# KiCad board SlowLampLEDPanel.kicad_pcb
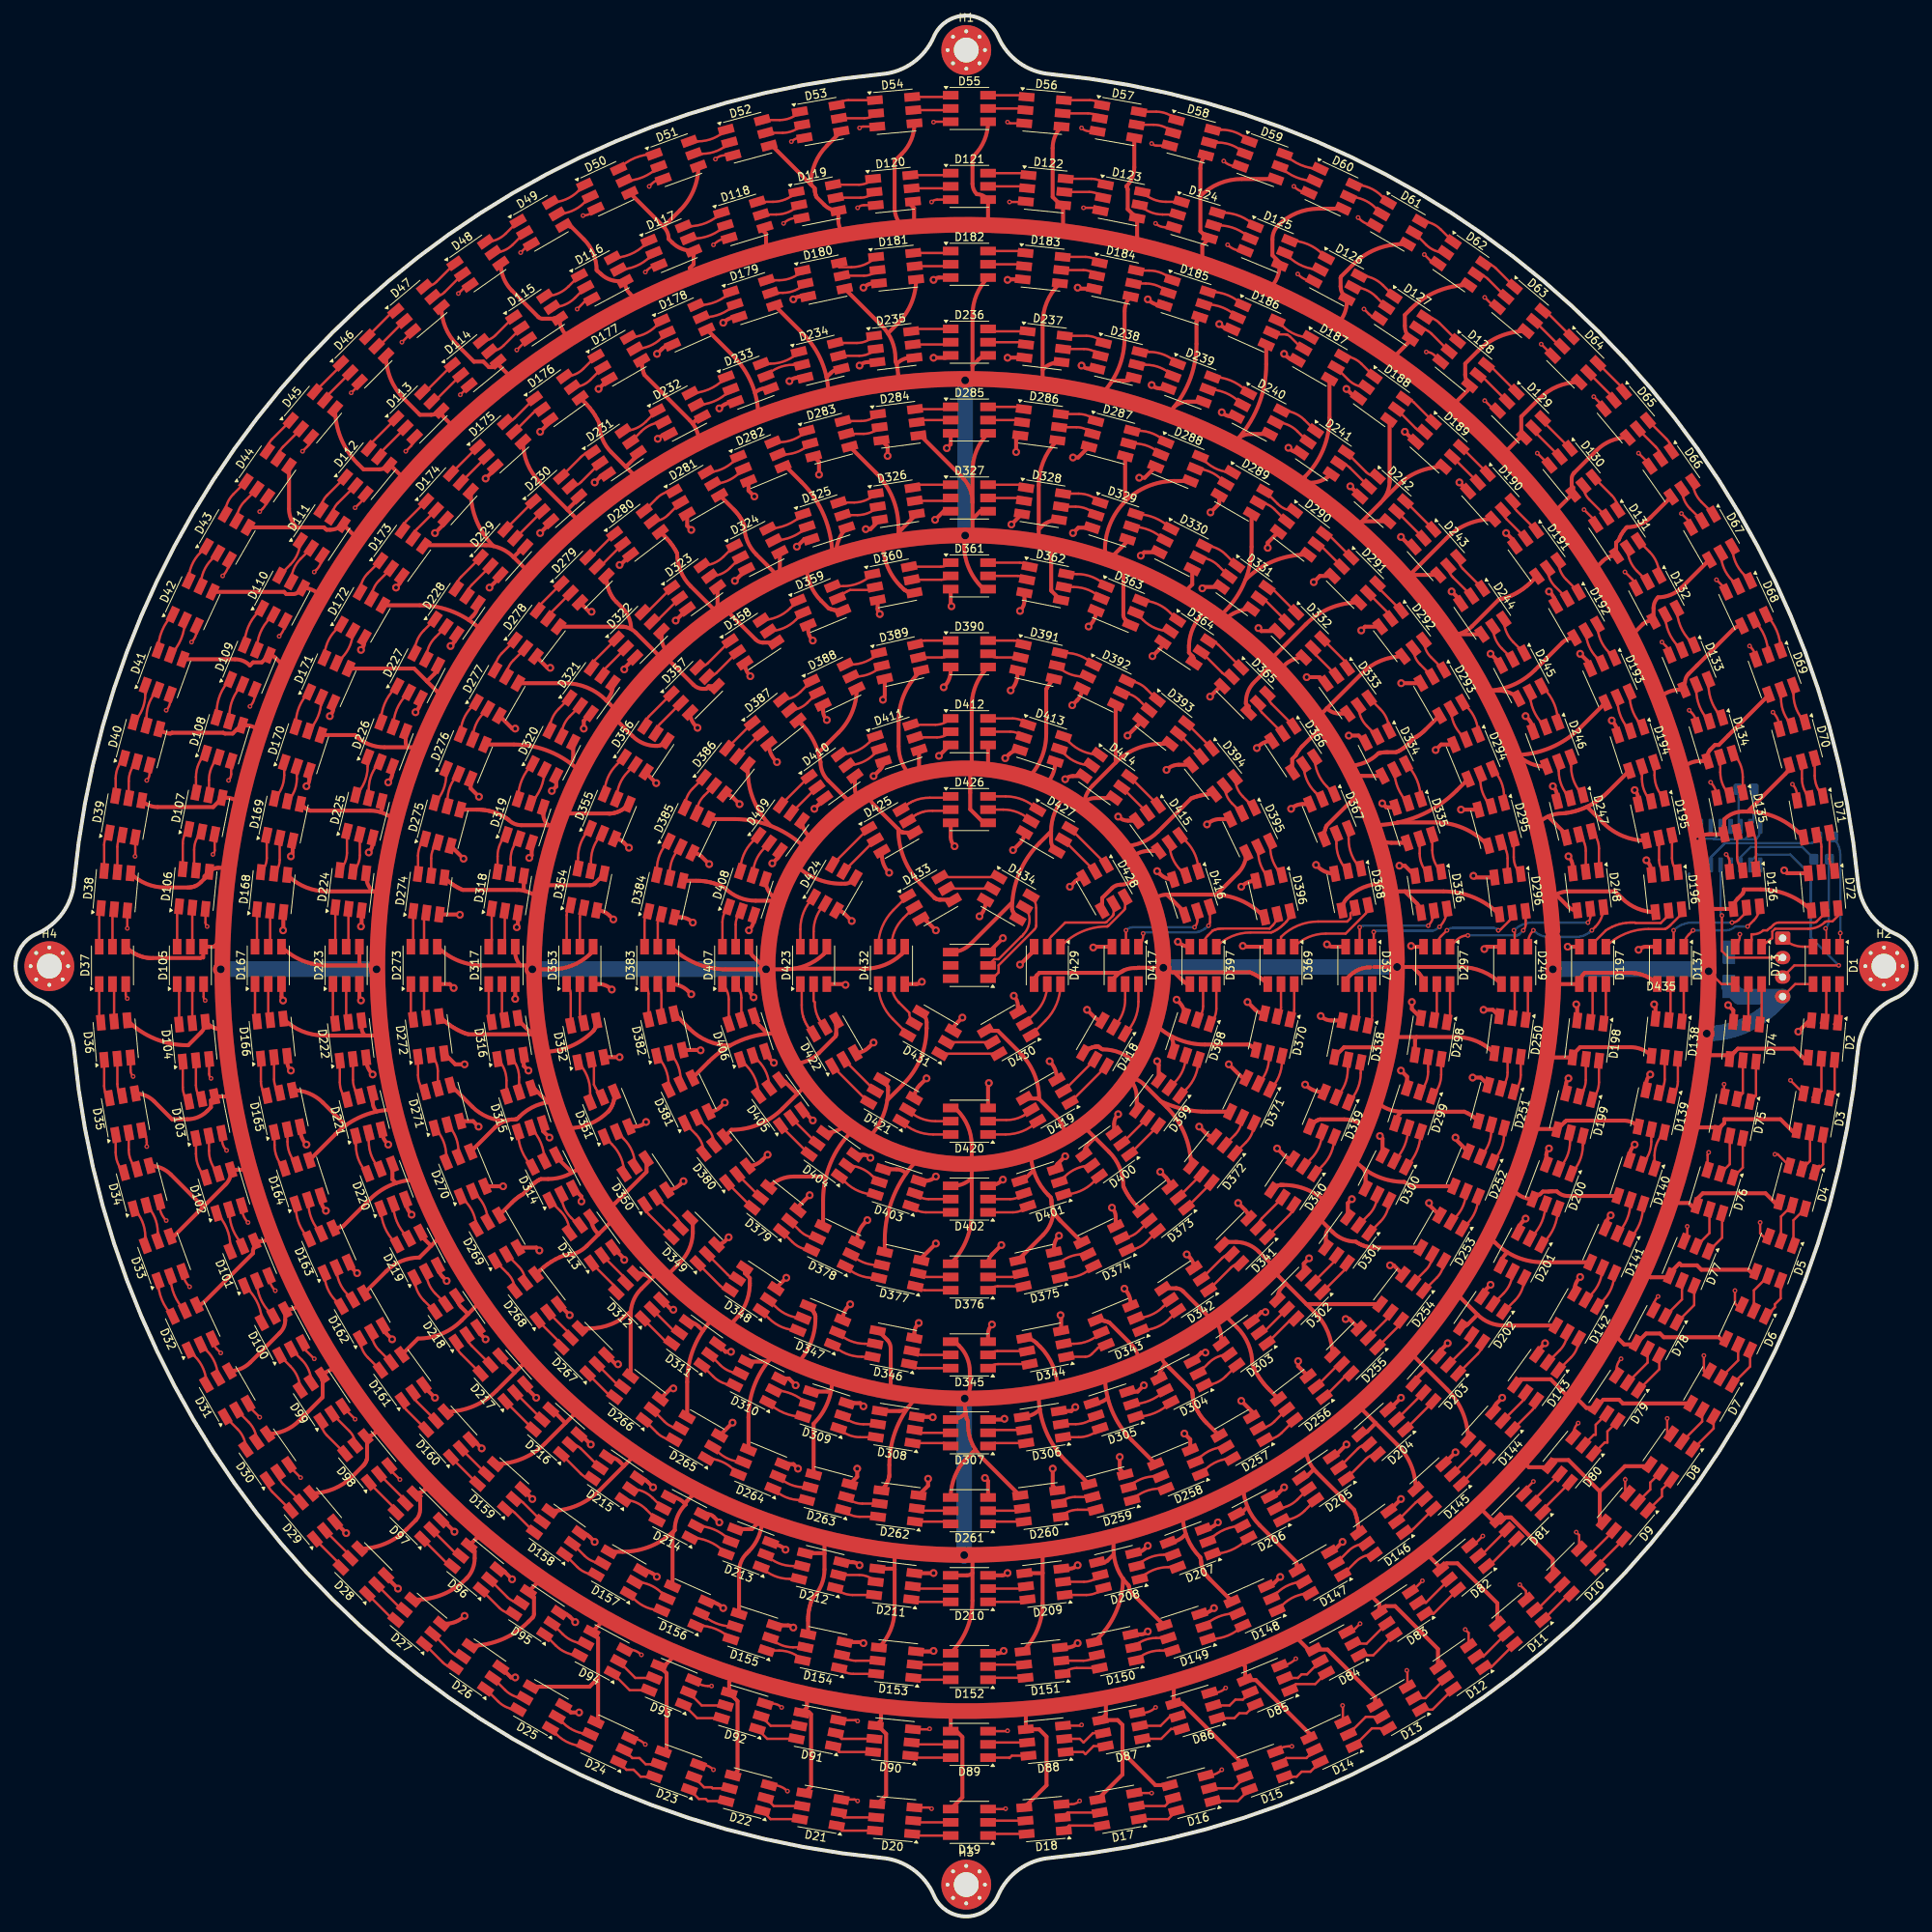
[diagram p0: board, top side]
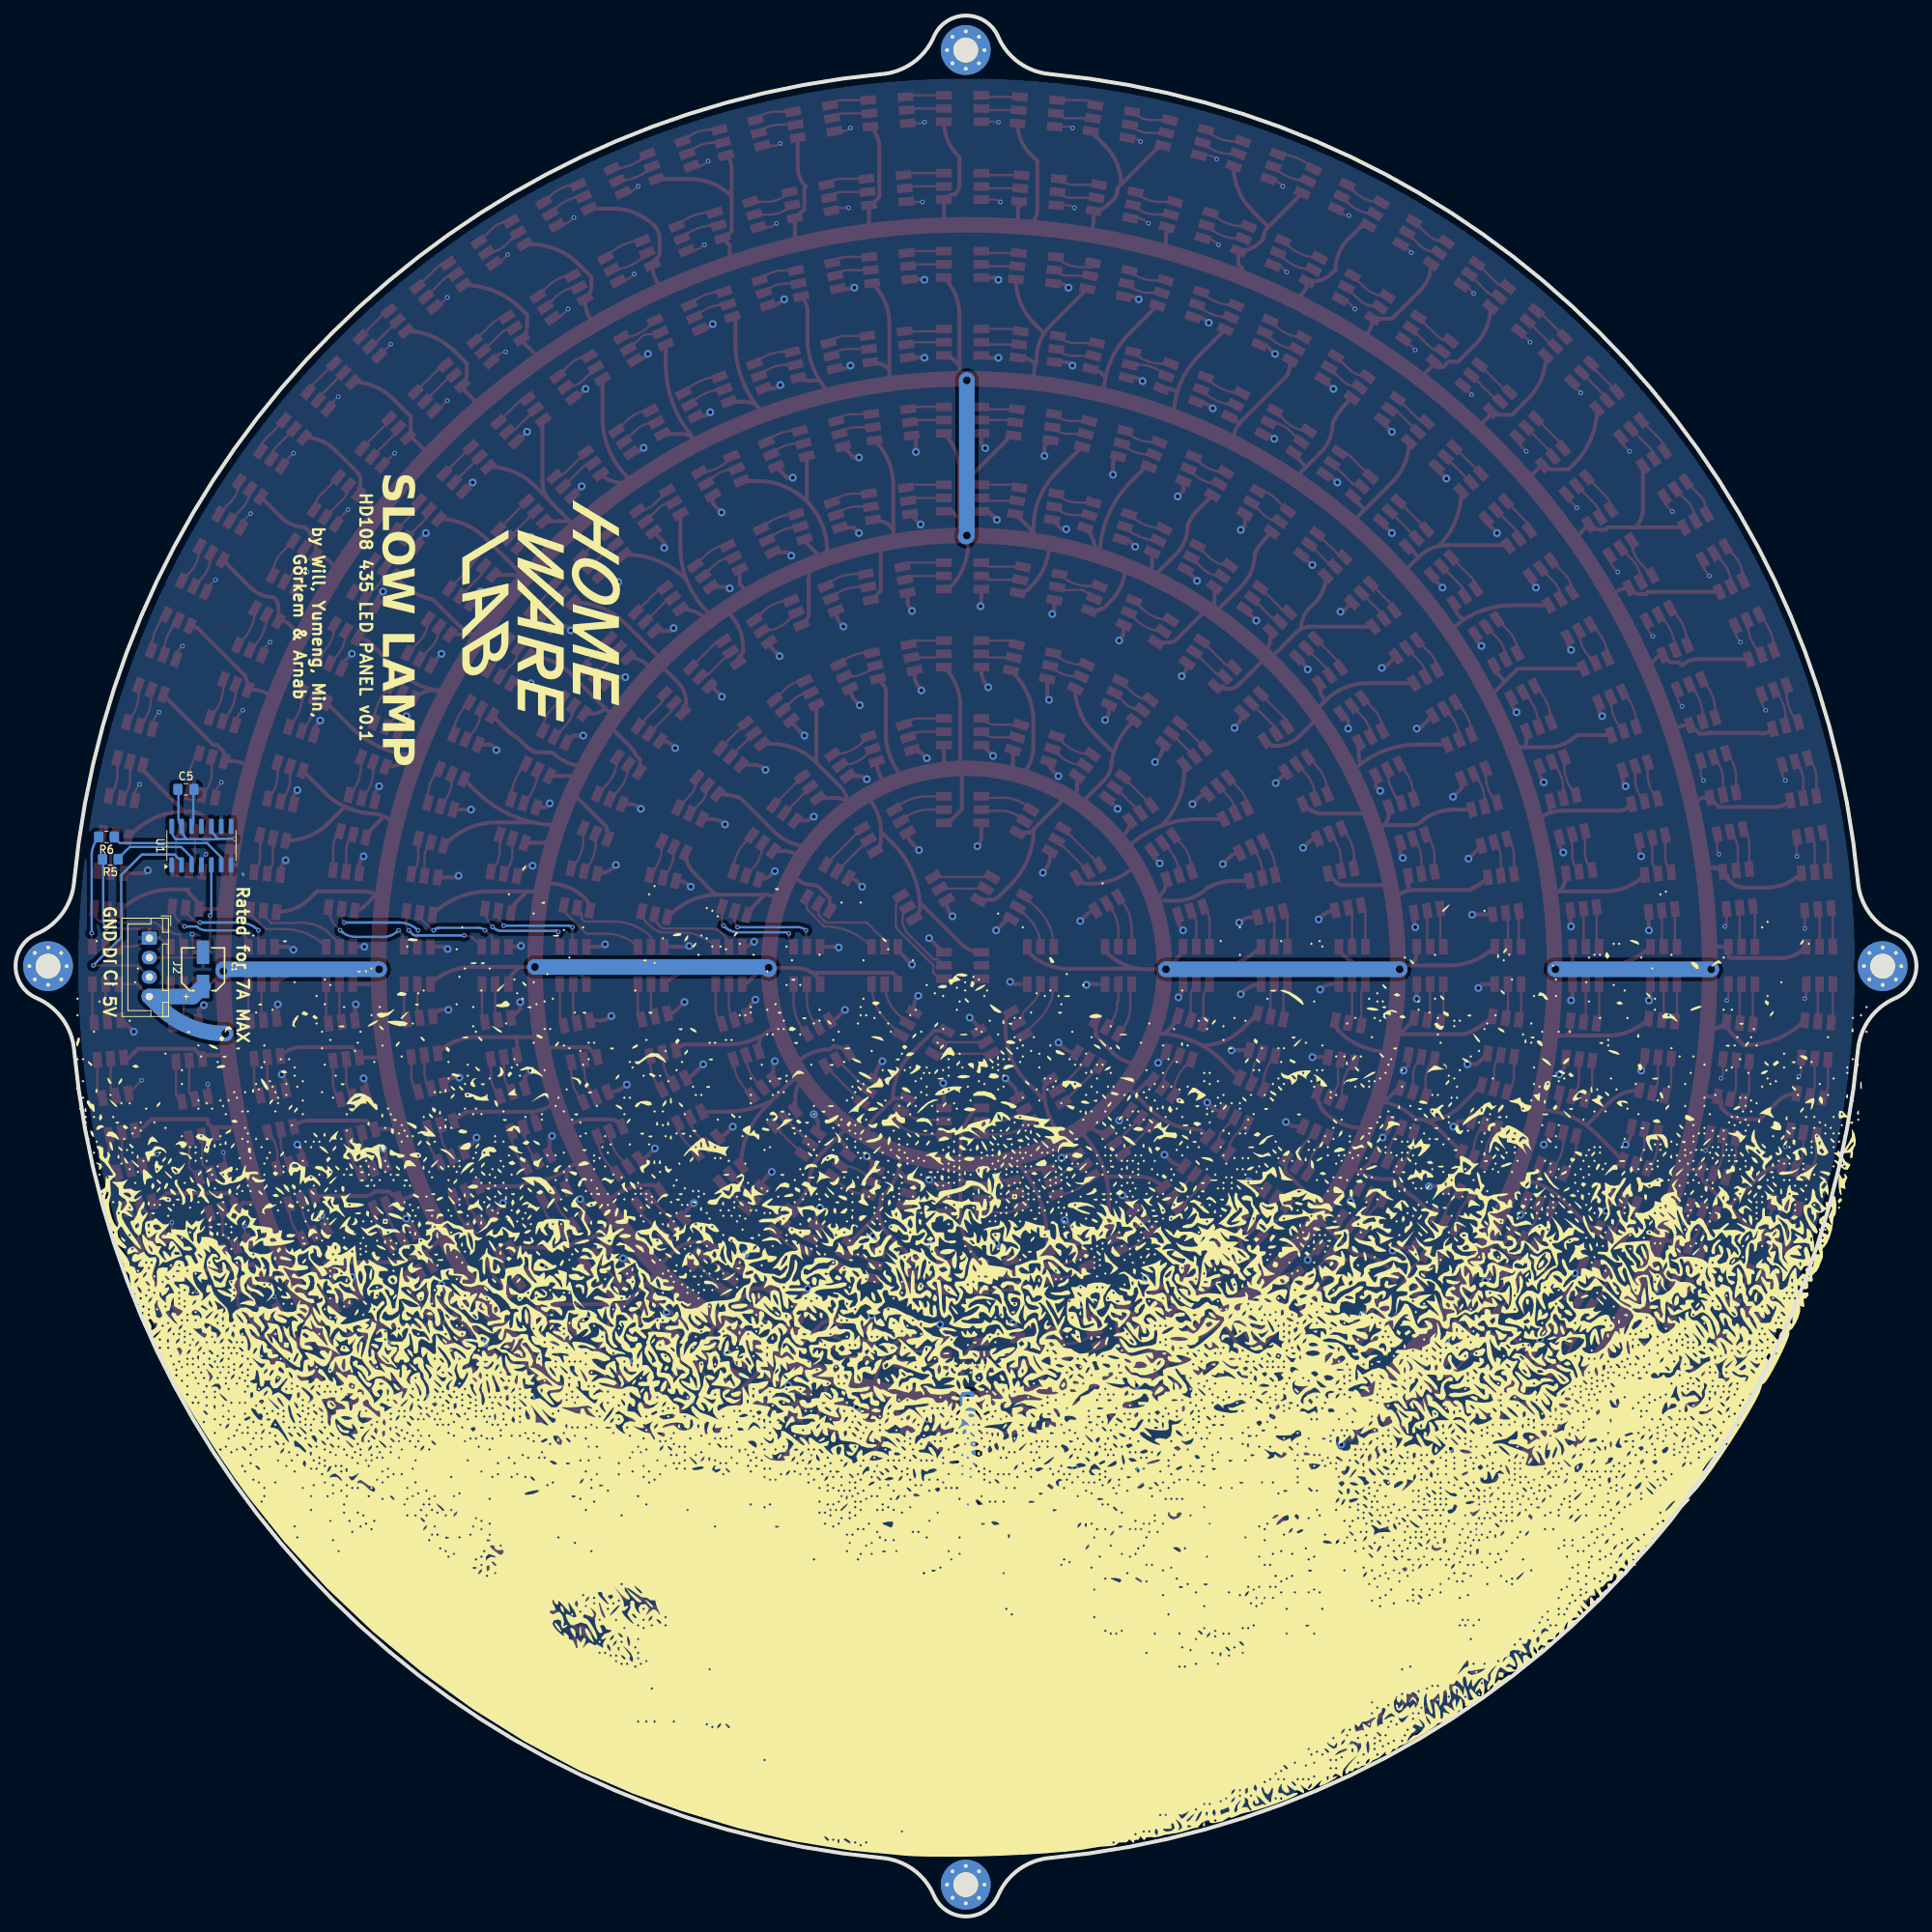
[diagram p1: board, bottom side, seen from below]

Outline 244 x 244 mm; copper layers: Top, Bottom. Coordinates in mm from the lower left corner of the outline.
Outline path: 122.34,243.99 122.67,243.96 122.99,243.9 123.31,243.81 123.61,243.71 123.91,243.58 124.2,243.43 124.47,243.27 124.74,243.08 124.99,242.87 125.22,242.65 125.44,242.41 125.64,242.15 125.83,241.88 125.99,241.59 126.13,241.29 126.25,241.04 126.37,240.8 126.49,240.56 126.63,240.33 126.92,239.88 127.24,239.45 127.59,239.05 127.96,238.67 128.36,238.32 128.78,237.99 129.21,237.7 129.67,237.43 130.14,237.19 130.64,236.99 131.14,236.81 131.66,236.68 131.92,236.62 132.19,236.57 132.46,236.53 132.73,236.5 137.85,235.91 142.91,235.09 147.88,234.06 152.78,232.82 157.59,231.37 162.3,229.73 166.92,227.88 171.44,225.85 175.85,223.63 180.15,221.23 184.33,218.66 188.39,215.91 192.32,213 196.13,209.93 199.79,206.7 203.32,203.32 206.7,199.79 209.93,196.13 213,192.32 215.91,188.39 218.66,184.33 221.23,180.15 223.63,175.85 225.85,171.44 227.88,166.92 229.73,162.3 231.37,157.59 232.82,152.78 234.06,147.88 235.09,142.91 235.91,137.85 236.5,132.73 236.57,132.19 236.68,131.66 236.81,131.14 236.99,130.64 237.19,130.14 237.43,129.67 237.7,129.21 237.99,128.78 238.32,128.36 238.67,127.96 239.05,127.59 239.45,127.24 239.88,126.92 240.33,126.63 240.8,126.37 241.29,126.13 241.44,126.06 241.59,125.99 241.74,125.91 241.88,125.83 242.02,125.74 242.15,125.64 242.28,125.54 242.41,125.44 242.53,125.33 242.65,125.22 242.76,125.11 242.87,124.99 242.98,124.86 243.08,124.74 243.17,124.61 243.27,124.47 243.35,124.34 243.43,124.2 243.51,124.06 243.58,123.91 243.65,123.76 243.71,123.61 243.76,123.46 243.81,123.31 243.86,123.15 243.9,122.99 243.93,122.83 243.96,122.67 243.98,122.5 243.99,122.34 244,122.17 244,122 243.99,121.67 243.96,121.34 243.9,121.02 243.81,120.7 243.71,120.39 243.58,120.09 243.43,119.81 243.27,119.53 243.08,119.27 242.87,119.02 242.65,118.78 242.41,118.56 242.15,118.36 241.88,118.18 241.59,118.02 241.29,117.87 241.04,117.76 240.8,117.64 240.56,117.51 240.33,117.37 239.88,117.08 239.45,116.76 239.05,116.41 238.67,116.04 238.32,115.65 237.99,115.23 237.7,114.79 237.43,114.33 237.19,113.86 236.99,113.37 236.81,112.86 236.68,112.35 236.62,112.08 236.57,111.82 236.53,111.55 236.5,111.28 235.91,106.15 235.09,101.1 234.06,96.12 232.82,91.23 231.37,86.42 229.73,81.7 227.88,77.09 225.85,72.57 223.63,68.16 221.23,63.86 218.66,59.68 215.91,55.62 213,51.68 209.93,47.88 206.7,44.21 203.32,40.68 199.79,37.31 196.13,34.08 192.32,31 188.39,28.09 184.33,25.35 180.15,22.77 175.85,20.37 171.44,18.15 166.92,16.12 162.3,14.28 157.59,12.63 152.78,11.19 147.88,9.94 142.91,8.91 137.85,8.1 132.73,7.5 132.19,7.43 131.66,7.33 131.14,7.19 130.64,7.02 130.14,6.81 129.67,6.58 129.21,6.31 128.78,6.01 128.36,5.69 127.96,5.34 127.59,4.96 127.24,4.56 126.92,4.13 126.63,3.68 126.37,3.21 126.13,2.72 126.06,2.56 125.99,2.41 125.91,2.27 125.83,2.13 125.74,1.99 125.64,1.85 125.54,1.72 125.44,1.6 125.33,1.47 125.22,1.36 125.11,1.24 124.99,1.13 124.86,1.03 124.74,0.93 124.61,0.83 124.47,0.74 124.34,0.65 124.2,0.57 124.06,0.5 123.91,0.42 123.76,0.36 123.61,0.3 123.46,0.24 123.31,0.19 123.15,0.15 122.99,0.11 122.83,0.08 122.67,0.05 122.5,0.03 122.34,0.01 122.17,0 122,0 121.67,0.01 121.34,0.05 121.02,0.11 120.7,0.19 120.39,0.3 120.09,0.42 119.81,0.57 119.53,0.74 119.27,0.93 119.02,1.13 118.78,1.36 118.56,1.6 118.36,1.85 118.18,2.13 118.02,2.41 117.87,2.72 117.76,2.96 117.64,3.21 117.51,3.45 117.37,3.68 117.08,4.13 116.76,4.56 116.41,4.96 116.04,5.34 115.65,5.69 115.23,6.01 114.79,6.31 114.33,6.58 113.86,6.81 113.37,7.02 112.86,7.19 112.35,7.33 112.08,7.39 111.82,7.43 111.55,7.47 111.28,7.5 106.15,8.1 101.1,8.91 96.12,9.94 91.23,11.19 86.42,12.63 81.7,14.28 77.09,16.12 72.57,18.15 68.16,20.37 63.86,22.77 59.68,25.35 55.62,28.09 51.68,31 47.88,34.08 44.21,37.31 40.68,40.68 37.31,44.21 34.08,47.88 31,51.68 28.09,55.62 25.35,59.68 22.77,63.86 20.37,68.16 18.15,72.57 16.12,77.09 14.28,81.7 12.63,86.42 11.19,91.23 9.94,96.12 8.91,101.1 8.1,106.15 7.5,111.28 7.43,111.82 7.33,112.35 7.19,112.86 7.02,113.37 6.81,113.86 6.58,114.33 6.31,114.79 6.01,115.23 5.69,115.65 5.34,116.04 4.96,116.41 4.56,116.76 4.13,117.08 3.68,117.37 3.21,117.64 2.72,117.87 2.56,117.94 2.41,118.02 2.27,118.1 2.13,118.18 1.99,118.27 1.85,118.36 1.72,118.46 1.6,118.56 1.47,118.67 1.36,118.78 1.24,118.9 1.13,119.02 1.03,119.14 0.93,119.27 0.83,119.4 0.74,119.53 0.65,119.67 0.57,119.81 0.5,119.95 0.42,120.09 0.36,120.24 0.3,120.39 0.24,120.54 0.19,120.7 0.15,120.86 0.11,121.02 0.08,121.18 0.05,121.34 0.03,121.5 0.01,121.67 0,121.83 0,122 0.01,122.34 0.05,122.67 0.11,122.99 0.19,123.31 0.3,123.61 0.42,123.91 0.57,124.2 0.74,124.47 0.93,124.74 1.13,124.99 1.36,125.22 1.6,125.44 1.85,125.64 2.13,125.83 2.41,125.99 2.72,126.13 2.96,126.25 3.21,126.37 3.45,126.49 3.68,126.63 4.13,126.92 4.56,127.24 4.96,127.59 5.34,127.96 5.69,128.36 6.01,128.78 6.31,129.21 6.58,129.67 6.81,130.14 7.02,130.64 7.19,131.14 7.33,131.66 7.39,131.92 7.43,132.19 7.47,132.46 7.5,132.73 8.1,137.85 8.91,142.91 9.94,147.88 11.19,152.78 12.63,157.59 14.28,162.3 16.12,166.92 18.15,171.44 20.37,175.85 22.77,180.15 25.35,184.33 28.09,188.39 31,192.32 34.08,196.13 37.31,199.79 40.68,203.32 44.21,206.7 47.88,209.93 51.68,213 55.62,215.91 59.68,218.66 63.86,221.23 68.16,223.63 72.57,225.85 77.09,227.88 81.7,229.73 86.42,231.37 91.23,232.82 96.12,234.06 101.1,235.09 106.15,235.91 111.28,236.5 111.82,236.57 112.35,236.68 112.86,236.81 113.37,236.99 113.86,237.19 114.33,237.43 114.79,237.7 115.23,237.99 115.65,238.32 116.04,238.67 116.41,239.05 116.76,239.45 117.08,239.88 117.37,240.33 117.64,240.8 117.87,241.29 117.94,241.44 118.02,241.59 118.1,241.74 118.18,241.88 118.27,242.02 118.36,242.15 118.46,242.28 118.56,242.41 118.67,242.53 118.78,242.65 118.9,242.76 119.02,242.87 119.14,242.98 119.27,243.08 119.4,243.17 119.53,243.27 119.67,243.35 119.81,243.43 119.95,243.51 120.09,243.58 120.24,243.65 120.39,243.71 120.54,243.76 120.7,243.81 120.86,243.86 121.02,243.9 121.18,243.93 121.34,243.96 121.5,243.98 121.67,243.99 121.83,244 122,244 closed

## Placement (name value [footprint] x y rotation side)
C1  47µF  [WCAP-ASLI_5X5.5_DXL_]  219.94 121.58 270 bottom
C5  100nF  [C_0805_2012Metric_Pad1.18x1.45mm_HandSolder]  222.14 144.68 180 bottom
D1  HD108  [LED_RGB_5050-6]  232.44 122.08 270 top
D2  HD108  [LED_RGB_5050-6]  232.02 112.49 265 top
D3  HD108  [LED_RGB_5050-6]  230.77 102.98 260 top
D4  HD108  [LED_RGB_5050-6]  228.69 93.61 255 top
D5  HD108  [LED_RGB_5050-6]  225.8 84.46 250 top
D6  HD108  [LED_RGB_5050-6]  222.13 75.59 245 top
D7  HD108  [LED_RGB_5050-6]  217.7 67.08 240 top
D8  HD108  [LED_RGB_5050-6]  212.54 58.99 235 top
D9  HD108  [LED_RGB_5050-6]  206.7 51.37 230 top
D10  HD108  [LED_RGB_5050-6]  200.22 44.3 225 top
D11  HD108  [LED_RGB_5050-6]  193.14 37.81 220 top
D12  HD108  [LED_RGB_5050-6]  185.53 31.97 215 top
D13  HD108  [LED_RGB_5050-6]  177.44 26.82 210 top
D14  HD108  [LED_RGB_5050-6]  168.92 22.39 205 top
D15  HD108  [LED_RGB_5050-6]  160.06 18.71 200 top
D16  HD108  [LED_RGB_5050-6]  150.91 15.83 195 top
D17  HD108  [LED_RGB_5050-6]  141.54 13.75 190 top
D18  HD108  [LED_RGB_5050-6]  132.02 12.5 185 top
D19  HD108  [LED_RGB_5050-6]  122.44 12.08 180 top
D20  HD108  [LED_RGB_5050-6]  112.85 12.5 175 top
D21  HD108  [LED_RGB_5050-6]  103.34 13.75 170 top
D22  HD108  [LED_RGB_5050-6]  93.97 15.83 165 top
D23  HD108  [LED_RGB_5050-6]  84.81 18.71 160 top
D24  HD108  [LED_RGB_5050-6]  75.95 22.39 155 top
D25  HD108  [LED_RGB_5050-6]  67.44 26.82 150 top
D26  HD108  [LED_RGB_5050-6]  59.34 31.97 145 top
D27  HD108  [LED_RGB_5050-6]  51.73 37.81 140 top
D28  HD108  [LED_RGB_5050-6]  44.66 44.3 135 top
D29  HD108  [LED_RGB_5050-6]  38.17 51.37 130 top
D30  HD108  [LED_RGB_5050-6]  32.33 58.99 125 top
D31  HD108  [LED_RGB_5050-6]  27.17 67.08 120 top
D32  HD108  [LED_RGB_5050-6]  22.74 75.59 115 top
D33  HD108  [LED_RGB_5050-6]  19.07 84.46 110 top
D34  HD108  [LED_RGB_5050-6]  16.18 93.61 105 top
D35  HD108  [LED_RGB_5050-6]  14.11 102.98 100 top
D36  HD108  [LED_RGB_5050-6]  12.86 112.49 95 top
D37  HD108  [LED_RGB_5050-6]  12.44 122.08 90 top
D38  HD108  [LED_RGB_5050-6]  12.86 131.67 85 top
D39  HD108  [LED_RGB_5050-6]  14.11 141.18 80 top
D40  HD108  [LED_RGB_5050-6]  16.18 150.55 75 top
D41  HD108  [LED_RGB_5050-6]  19.07 159.7 70 top
D42  HD108  [LED_RGB_5050-6]  22.74 168.57 65 top
D43  HD108  [LED_RGB_5050-6]  27.17 177.08 60 top
D44  HD108  [LED_RGB_5050-6]  32.33 185.17 55 top
D45  HD108  [LED_RGB_5050-6]  38.17 192.79 50 top
D46  HD108  [LED_RGB_5050-6]  44.66 199.86 45 top
D47  HD108  [LED_RGB_5050-6]  51.73 206.34 40 top
D48  HD108  [LED_RGB_5050-6]  59.34 212.19 35 top
D49  HD108  [LED_RGB_5050-6]  67.44 217.34 30 top
D50  HD108  [LED_RGB_5050-6]  75.95 221.77 25 top
D51  HD108  [LED_RGB_5050-6]  84.81 225.45 20 top
D52  HD108  [LED_RGB_5050-6]  93.97 228.33 15 top
D53  HD108  [LED_RGB_5050-6]  103.34 230.41 10 top
D54  HD108  [LED_RGB_5050-6]  112.85 231.66 5 top
D55  HD108  [LED_RGB_5050-6]  122.44 232.08 0 top
D56  HD108  [LED_RGB_5050-6]  132.02 231.66 355 top
D57  HD108  [LED_RGB_5050-6]  141.54 230.41 350 top
D58  HD108  [LED_RGB_5050-6]  150.91 228.33 345 top
D59  HD108  [LED_RGB_5050-6]  160.06 225.45 340 top
D60  HD108  [LED_RGB_5050-6]  168.92 221.77 335 top
D61  HD108  [LED_RGB_5050-6]  177.44 217.34 330 top
D62  HD108  [LED_RGB_5050-6]  185.53 212.19 325 top
D63  HD108  [LED_RGB_5050-6]  193.14 206.34 320 top
D64  HD108  [LED_RGB_5050-6]  200.22 199.86 315 top
D65  HD108  [LED_RGB_5050-6]  206.7 192.79 310 top
D66  HD108  [LED_RGB_5050-6]  212.54 185.17 305 top
D67  HD108  [LED_RGB_5050-6]  217.7 177.08 300 top
D68  HD108  [LED_RGB_5050-6]  222.13 168.57 295 top
D69  HD108  [LED_RGB_5050-6]  225.8 159.7 290 top
D70  HD108  [LED_RGB_5050-6]  228.69 150.55 285 top
D71  HD108  [LED_RGB_5050-6]  230.77 141.18 280 top
D72  HD108  [LED_RGB_5050-6]  232.02 131.67 275 top
D73  HD108  [LED_RGB_5050-6]  222.44 122.08 270 top
D74  HD108  [LED_RGB_5050-6]  221.96 112.28 264.4 top
D75  HD108  [LED_RGB_5050-6]  220.52 102.57 258.8 top
D76  HD108  [LED_RGB_5050-6]  218.13 93.05 253.1 top
D77  HD108  [LED_RGB_5050-6]  214.82 83.81 247.5 top
D78  HD108  [LED_RGB_5050-6]  210.63 74.94 241.9 top
D79  HD108  [LED_RGB_5050-6]  205.58 66.52 236.2 top
D80  HD108  [LED_RGB_5050-6]  199.74 58.64 230.6 top
D81  HD108  [LED_RGB_5050-6]  193.15 51.37 225 top
D82  HD108  [LED_RGB_5050-6]  185.88 44.78 219.4 top
D83  HD108  [LED_RGB_5050-6]  177.99 38.93 213.8 top
D84  HD108  [LED_RGB_5050-6]  169.58 33.89 208.1 top
D85  HD108  [LED_RGB_5050-6]  160.71 29.69 202.5 top
D86  HD108  [LED_RGB_5050-6]  151.47 26.39 196.9 top
D87  HD108  [LED_RGB_5050-6]  141.95 24 191.2 top
D88  HD108  [LED_RGB_5050-6]  132.24 22.56 185.6 top
D89  HD108  [LED_RGB_5050-6]  122.44 22.08 180 top
D90  HD108  [LED_RGB_5050-6]  112.64 22.56 174.4 top
D91  HD108  [LED_RGB_5050-6]  102.93 24 168.8 top
D92  HD108  [LED_RGB_5050-6]  93.41 26.39 163.1 top
D93  HD108  [LED_RGB_5050-6]  84.17 29.69 157.5 top
D94  HD108  [LED_RGB_5050-6]  75.3 33.89 151.9 top
D95  HD108  [LED_RGB_5050-6]  66.88 38.93 146.2 top
D96  HD108  [LED_RGB_5050-6]  59 44.78 140.6 top
D97  HD108  [LED_RGB_5050-6]  51.73 51.37 135 top
D98  HD108  [LED_RGB_5050-6]  45.14 58.64 129.4 top
D99  HD108  [LED_RGB_5050-6]  39.29 66.52 123.8 top
D100  HD108  [LED_RGB_5050-6]  34.24 74.94 118.1 top
D101  HD108  [LED_RGB_5050-6]  30.05 83.81 112.5 top
D102  HD108  [LED_RGB_5050-6]  26.74 93.05 106.9 top
D103  HD108  [LED_RGB_5050-6]  24.36 102.57 101.2 top
D104  HD108  [LED_RGB_5050-6]  22.92 112.28 95.6 top
D105  HD108  [LED_RGB_5050-6]  22.44 122.08 90 top
D106  HD108  [LED_RGB_5050-6]  22.92 131.88 84.4 top
D107  HD108  [LED_RGB_5050-6]  24.36 141.59 78.8 top
D108  HD108  [LED_RGB_5050-6]  26.74 151.11 73.1 top
D109  HD108  [LED_RGB_5050-6]  30.05 160.35 67.5 top
D110  HD108  [LED_RGB_5050-6]  34.24 169.22 61.9 top
D111  HD108  [LED_RGB_5050-6]  39.29 177.64 56.2 top
D112  HD108  [LED_RGB_5050-6]  45.14 185.52 50.6 top
D113  HD108  [LED_RGB_5050-6]  51.73 192.79 45 top
D114  HD108  [LED_RGB_5050-6]  59 199.38 39.4 top
D115  HD108  [LED_RGB_5050-6]  66.88 205.23 33.8 top
D116  HD108  [LED_RGB_5050-6]  75.3 210.27 28.1 top
D117  HD108  [LED_RGB_5050-6]  84.17 214.47 22.5 top
D118  HD108  [LED_RGB_5050-6]  93.41 217.77 16.9 top
D119  HD108  [LED_RGB_5050-6]  102.93 220.16 11.2 top
D120  HD108  [LED_RGB_5050-6]  112.64 221.6 5.6 top
D121  HD108  [LED_RGB_5050-6]  122.44 222.08 0 top
D122  HD108  [LED_RGB_5050-6]  132.24 221.6 354.4 top
D123  HD108  [LED_RGB_5050-6]  141.95 220.16 348.8 top
D124  HD108  [LED_RGB_5050-6]  151.47 217.77 343.1 top
D125  HD108  [LED_RGB_5050-6]  160.71 214.47 337.5 top
D126  HD108  [LED_RGB_5050-6]  169.58 210.27 331.9 top
D127  HD108  [LED_RGB_5050-6]  177.99 205.23 326.2 top
D128  HD108  [LED_RGB_5050-6]  185.88 199.38 320.6 top
D129  HD108  [LED_RGB_5050-6]  193.15 192.79 315 top
D130  HD108  [LED_RGB_5050-6]  199.74 185.52 309.4 top
D131  HD108  [LED_RGB_5050-6]  205.58 177.64 303.8 top
D132  HD108  [LED_RGB_5050-6]  210.63 169.22 298.1 top
D133  HD108  [LED_RGB_5050-6]  214.82 160.35 292.5 top
D134  HD108  [LED_RGB_5050-6]  218.13 151.11 286.9 top
D135  HD108  [LED_RGB_5050-6]  220.52 141.59 281.2 top
D136  HD108  [LED_RGB_5050-6]  221.96 131.88 275.6 top
D137  HD108  [LED_RGB_5050-6]  212.44 122.08 270 top
D138  HD108  [LED_RGB_5050-6]  211.94 112.67 264 top
D139  HD108  [LED_RGB_5050-6]  210.47 103.37 258 top
D140  HD108  [LED_RGB_5050-6]  208.03 94.27 252 top
D141  HD108  [LED_RGB_5050-6]  204.66 85.47 246 top
D142  HD108  [LED_RGB_5050-6]  200.38 77.08 240 top
D143  HD108  [LED_RGB_5050-6]  195.25 69.18 234 top
D144  HD108  [LED_RGB_5050-6]  189.32 61.86 228 top
D145  HD108  [LED_RGB_5050-6]  182.66 55.2 222 top
D146  HD108  [LED_RGB_5050-6]  175.34 49.27 216 top
D147  HD108  [LED_RGB_5050-6]  167.44 44.14 210 top
D148  HD108  [LED_RGB_5050-6]  159.04 39.86 204 top
D149  HD108  [LED_RGB_5050-6]  150.25 36.48 198 top
D150  HD108  [LED_RGB_5050-6]  141.15 34.05 192 top
D151  HD108  [LED_RGB_5050-6]  131.84 32.57 186 top
D152  HD108  [LED_RGB_5050-6]  122.44 32.08 180 top
D153  HD108  [LED_RGB_5050-6]  113.03 32.57 174 top
D154  HD108  [LED_RGB_5050-6]  103.72 34.05 168 top
D155  HD108  [LED_RGB_5050-6]  94.63 36.48 162 top
D156  HD108  [LED_RGB_5050-6]  85.83 39.86 156 top
D157  HD108  [LED_RGB_5050-6]  77.44 44.14 150 top
D158  HD108  [LED_RGB_5050-6]  69.54 49.27 144 top
D159  HD108  [LED_RGB_5050-6]  62.22 55.2 138 top
D160  HD108  [LED_RGB_5050-6]  55.55 61.86 132 top
D161  HD108  [LED_RGB_5050-6]  49.63 69.18 126 top
D162  HD108  [LED_RGB_5050-6]  44.49 77.08 120 top
D163  HD108  [LED_RGB_5050-6]  40.22 85.47 114 top
D164  HD108  [LED_RGB_5050-6]  36.84 94.27 108 top
D165  HD108  [LED_RGB_5050-6]  34.4 103.37 102 top
D166  HD108  [LED_RGB_5050-6]  32.93 112.67 96 top
D167  HD108  [LED_RGB_5050-6]  32.44 122.08 90 top
D168  HD108  [LED_RGB_5050-6]  32.93 131.49 84 top
D169  HD108  [LED_RGB_5050-6]  34.4 140.79 78 top
D170  HD108  [LED_RGB_5050-6]  36.84 149.89 72 top
D171  HD108  [LED_RGB_5050-6]  40.22 158.69 66 top
D172  HD108  [LED_RGB_5050-6]  44.49 167.08 60 top
D173  HD108  [LED_RGB_5050-6]  49.63 174.98 54 top
D174  HD108  [LED_RGB_5050-6]  55.55 182.3 48 top
D175  HD108  [LED_RGB_5050-6]  62.22 188.96 42 top
D176  HD108  [LED_RGB_5050-6]  69.54 194.89 36 top
D177  HD108  [LED_RGB_5050-6]  77.44 200.02 30 top
D178  HD108  [LED_RGB_5050-6]  85.83 204.3 24 top
D179  HD108  [LED_RGB_5050-6]  94.63 207.67 18 top
D180  HD108  [LED_RGB_5050-6]  103.72 210.11 12 top
D181  HD108  [LED_RGB_5050-6]  113.03 211.59 6 top
D182  HD108  [LED_RGB_5050-6]  122.44 212.08 0 top
D183  HD108  [LED_RGB_5050-6]  131.84 211.59 354 top
D184  HD108  [LED_RGB_5050-6]  141.15 210.11 348 top
D185  HD108  [LED_RGB_5050-6]  150.25 207.67 342 top
D186  HD108  [LED_RGB_5050-6]  159.04 204.3 336 top
D187  HD108  [LED_RGB_5050-6]  167.44 200.02 330 top
D188  HD108  [LED_RGB_5050-6]  175.34 194.89 324 top
D189  HD108  [LED_RGB_5050-6]  182.66 188.96 318 top
D190  HD108  [LED_RGB_5050-6]  189.32 182.3 312 top
D191  HD108  [LED_RGB_5050-6]  195.25 174.98 306 top
D192  HD108  [LED_RGB_5050-6]  200.38 167.08 300 top
D193  HD108  [LED_RGB_5050-6]  204.66 158.69 294 top
D194  HD108  [LED_RGB_5050-6]  208.03 149.89 288 top
D195  HD108  [LED_RGB_5050-6]  210.47 140.79 282 top
D196  HD108  [LED_RGB_5050-6]  211.94 131.49 276 top
D197  HD108  [LED_RGB_5050-6]  202.44 122.08 270 top
D198  HD108  [LED_RGB_5050-6]  201.85 112.44 263.1 top
D199  HD108  [LED_RGB_5050-6]  200.11 102.93 256.2 top
D200  HD108  [LED_RGB_5050-6]  197.24 93.71 249.2 top
D201  HD108  [LED_RGB_5050-6]  193.27 84.9 242.3 top
D202  HD108  [LED_RGB_5050-6]  188.28 76.63 235.4 top
D203  HD108  [LED_RGB_5050-6]  182.32 69.03 228.5 top
D204  HD108  [LED_RGB_5050-6]  175.49 62.2 221.5 top
D205  HD108  [LED_RGB_5050-6]  167.88 56.24 214.6 top
D206  HD108  [LED_RGB_5050-6]  159.61 51.24 207.7 top
D207  HD108  [LED_RGB_5050-6]  150.81 47.28 200.8 top
D208  HD108  [LED_RGB_5050-6]  141.58 44.4 193.8 top
D209  HD108  [LED_RGB_5050-6]  132.08 42.66 186.9 top
D210  HD108  [LED_RGB_5050-6]  122.44 42.08 180 top
D211  HD108  [LED_RGB_5050-6]  112.79 42.66 173.1 top
D212  HD108  [LED_RGB_5050-6]  103.29 44.4 166.2 top
D213  HD108  [LED_RGB_5050-6]  94.07 47.28 159.2 top
D214  HD108  [LED_RGB_5050-6]  85.26 51.24 152.3 top
D215  HD108  [LED_RGB_5050-6]  76.99 56.24 145.4 top
D216  HD108  [LED_RGB_5050-6]  69.39 62.2 138.5 top
D217  HD108  [LED_RGB_5050-6]  62.56 69.03 131.5 top
D218  HD108  [LED_RGB_5050-6]  56.6 76.63 124.6 top
D219  HD108  [LED_RGB_5050-6]  51.6 84.9 117.7 top
D220  HD108  [LED_RGB_5050-6]  47.64 93.71 110.8 top
D221  HD108  [LED_RGB_5050-6]  44.76 102.93 103.8 top
D222  HD108  [LED_RGB_5050-6]  43.02 112.44 96.9 top
D223  HD108  [LED_RGB_5050-6]  42.44 122.08 90 top
D224  HD108  [LED_RGB_5050-6]  43.02 131.72 83.1 top
D225  HD108  [LED_RGB_5050-6]  44.76 141.22 76.2 top
D226  HD108  [LED_RGB_5050-6]  47.64 150.45 69.2 top
D227  HD108  [LED_RGB_5050-6]  51.6 159.26 62.3 top
D228  HD108  [LED_RGB_5050-6]  56.6 167.52 55.4 top
D229  HD108  [LED_RGB_5050-6]  62.56 175.13 48.5 top
D230  HD108  [LED_RGB_5050-6]  69.39 181.96 41.5 top
D231  HD108  [LED_RGB_5050-6]  76.99 187.92 34.6 top
D232  HD108  [LED_RGB_5050-6]  85.26 192.92 27.7 top
D233  HD108  [LED_RGB_5050-6]  94.07 196.88 20.8 top
D234  HD108  [LED_RGB_5050-6]  103.29 199.75 13.8 top
D235  HD108  [LED_RGB_5050-6]  112.79 201.5 6.9 top
D236  HD108  [LED_RGB_5050-6]  122.44 202.08 0 top
D237  HD108  [LED_RGB_5050-6]  132.08 201.5 353.1 top
D238  HD108  [LED_RGB_5050-6]  141.58 199.75 346.2 top
D239  HD108  [LED_RGB_5050-6]  150.81 196.88 339.2 top
D240  HD108  [LED_RGB_5050-6]  159.61 192.92 332.3 top
D241  HD108  [LED_RGB_5050-6]  167.88 187.92 325.4 top
D242  HD108  [LED_RGB_5050-6]  175.49 181.96 318.5 top
D243  HD108  [LED_RGB_5050-6]  182.32 175.13 311.5 top
D244  HD108  [LED_RGB_5050-6]  188.28 167.52 304.6 top
D245  HD108  [LED_RGB_5050-6]  193.27 159.26 297.7 top
D246  HD108  [LED_RGB_5050-6]  197.24 150.45 290.8 top
D247  HD108  [LED_RGB_5050-6]  200.11 141.22 283.8 top
D248  HD108  [LED_RGB_5050-6]  201.85 131.72 276.9 top
D249  HD108  [LED_RGB_5050-6]  192.44 122.08 270 top
D250  HD108  [LED_RGB_5050-6]  191.84 112.94 262.5 top
D251  HD108  [LED_RGB_5050-6]  190.05 103.96 255 top
D252  HD108  [LED_RGB_5050-6]  187.11 95.29 247.5 top
D253  HD108  [LED_RGB_5050-6]  183.06 87.08 240 top
D254  HD108  [LED_RGB_5050-6]  177.97 79.47 232.5 top
D255  HD108  [LED_RGB_5050-6]  171.93 72.58 225 top
D256  HD108  [LED_RGB_5050-6]  165.05 66.54 217.5 top
D257  HD108  [LED_RGB_5050-6]  157.44 61.46 210 top
D258  HD108  [LED_RGB_5050-6]  149.22 57.41 202.5 top
D259  HD108  [LED_RGB_5050-6]  140.55 54.46 195 top
D260  HD108  [LED_RGB_5050-6]  131.57 52.68 187.5 top
D261  HD108  [LED_RGB_5050-6]  122.44 52.08 180 top
D262  HD108  [LED_RGB_5050-6]  113.3 52.68 172.5 top
D263  HD108  [LED_RGB_5050-6]  104.32 54.46 165 top
D264  HD108  [LED_RGB_5050-6]  95.65 57.41 157.5 top
D265  HD108  [LED_RGB_5050-6]  87.44 61.46 150 top
D266  HD108  [LED_RGB_5050-6]  79.82 66.54 142.5 top
D267  HD108  [LED_RGB_5050-6]  72.94 72.58 135 top
D268  HD108  [LED_RGB_5050-6]  66.9 79.47 127.5 top
D269  HD108  [LED_RGB_5050-6]  61.82 87.08 120 top
D270  HD108  [LED_RGB_5050-6]  57.77 95.29 112.5 top
D271  HD108  [LED_RGB_5050-6]  54.82 103.96 105 top
D272  HD108  [LED_RGB_5050-6]  53.04 112.94 97.5 top
D273  HD108  [LED_RGB_5050-6]  52.44 122.08 90 top
D274  HD108  [LED_RGB_5050-6]  53.04 131.22 82.5 top
D275  HD108  [LED_RGB_5050-6]  54.82 140.2 75 top
D276  HD108  [LED_RGB_5050-6]  57.77 148.87 67.5 top
D277  HD108  [LED_RGB_5050-6]  61.82 157.08 60 top
D278  HD108  [LED_RGB_5050-6]  66.9 164.69 52.5 top
D279  HD108  [LED_RGB_5050-6]  72.94 171.58 45 top
D280  HD108  [LED_RGB_5050-6]  79.82 177.61 37.5 top
D281  HD108  [LED_RGB_5050-6]  87.44 182.7 30 top
D282  HD108  [LED_RGB_5050-6]  95.65 186.75 22.5 top
D283  HD108  [LED_RGB_5050-6]  104.32 189.69 15 top
D284  HD108  [LED_RGB_5050-6]  113.3 191.48 7.5 top
D285  HD108  [LED_RGB_5050-6]  122.44 192.08 0 top
D286  HD108  [LED_RGB_5050-6]  131.57 191.48 352.5 top
D287  HD108  [LED_RGB_5050-6]  140.55 189.69 345 top
D288  HD108  [LED_RGB_5050-6]  149.22 186.75 337.5 top
D289  HD108  [LED_RGB_5050-6]  157.44 182.7 330 top
D290  HD108  [LED_RGB_5050-6]  165.05 177.61 322.5 top
D291  HD108  [LED_RGB_5050-6]  171.93 171.58 315 top
D292  HD108  [LED_RGB_5050-6]  177.97 164.69 307.5 top
D293  HD108  [LED_RGB_5050-6]  183.06 157.08 300 top
D294  HD108  [LED_RGB_5050-6]  187.11 148.87 292.5 top
D295  HD108  [LED_RGB_5050-6]  190.05 140.2 285 top
D296  HD108  [LED_RGB_5050-6]  191.84 131.22 277.5 top
D297  HD108  [LED_RGB_5050-6]  182.44 122.08 270 top
D298  HD108  [LED_RGB_5050-6]  181.7 112.69 261 top
D299  HD108  [LED_RGB_5050-6]  179.5 103.54 252 top
D300  HD108  [LED_RGB_5050-6]  175.9 94.84 243 top
D301  HD108  [LED_RGB_5050-6]  170.98 86.81 234 top
D302  HD108  [LED_RGB_5050-6]  164.86 79.65 225 top
D303  HD108  [LED_RGB_5050-6]  157.7 73.54 216 top
D304  HD108  [LED_RGB_5050-6]  149.68 68.62 207 top
D305  HD108  [LED_RGB_5050-6]  140.98 65.02 198 top
D306  HD108  [LED_RGB_5050-6]  131.82 62.82 189 top
D307  HD108  [LED_RGB_5050-6]  122.44 62.08 180 top
D308  HD108  [LED_RGB_5050-6]  113.05 62.82 171 top
D309  HD108  [LED_RGB_5050-6]  103.9 65.02 162 top
D310  HD108  [LED_RGB_5050-6]  95.2 68.62 153 top
D311  HD108  [LED_RGB_5050-6]  87.17 73.54 144 top
D312  HD108  [LED_RGB_5050-6]  80.01 79.65 135 top
D313  HD108  [LED_RGB_5050-6]  73.9 86.81 126 top
D314  HD108  [LED_RGB_5050-6]  68.98 94.84 117 top
D315  HD108  [LED_RGB_5050-6]  65.37 103.54 108 top
D316  HD108  [LED_RGB_5050-6]  63.18 112.69 99 top
D317  HD108  [LED_RGB_5050-6]  62.44 122.08 90 top
D318  HD108  [LED_RGB_5050-6]  63.18 131.47 81 top
D319  HD108  [LED_RGB_5050-6]  65.37 140.62 72 top
D320  HD108  [LED_RGB_5050-6]  68.98 149.32 63 top
D321  HD108  [LED_RGB_5050-6]  73.9 157.35 54 top
D322  HD108  [LED_RGB_5050-6]  80.01 164.51 45 top
D323  HD108  [LED_RGB_5050-6]  87.17 170.62 36 top
D324  HD108  [LED_RGB_5050-6]  95.2 175.54 27 top
D325  HD108  [LED_RGB_5050-6]  103.9 179.14 18 top
D326  HD108  [LED_RGB_5050-6]  113.05 181.34 9 top
D327  HD108  [LED_RGB_5050-6]  122.44 182.08 0 top
D328  HD108  [LED_RGB_5050-6]  131.82 181.34 351 top
D329  HD108  [LED_RGB_5050-6]  140.98 179.14 342 top
D330  HD108  [LED_RGB_5050-6]  149.68 175.54 333 top
D331  HD108  [LED_RGB_5050-6]  157.7 170.62 324 top
D332  HD108  [LED_RGB_5050-6]  164.86 164.51 315 top
D333  HD108  [LED_RGB_5050-6]  170.98 157.35 306 top
D334  HD108  [LED_RGB_5050-6]  175.9 149.32 297 top
D335  HD108  [LED_RGB_5050-6]  179.5 140.62 288 top
D336  HD108  [LED_RGB_5050-6]  181.7 131.47 279 top
D337  HD108  [LED_RGB_5050-6]  172.44 122.08 270 top